# Altium PCB TCS-1900.PcbDoc (part 2 of 2)
Units mm, origin at the board's own origin, x right, y up, seen from the top; angles counter-clockwise.
Board outline 76.53 x 65.3 mm, 2 copper layers (Top Layer, Bottom Layer); 172 components, 114 nets, 608 pads, 144 vias.
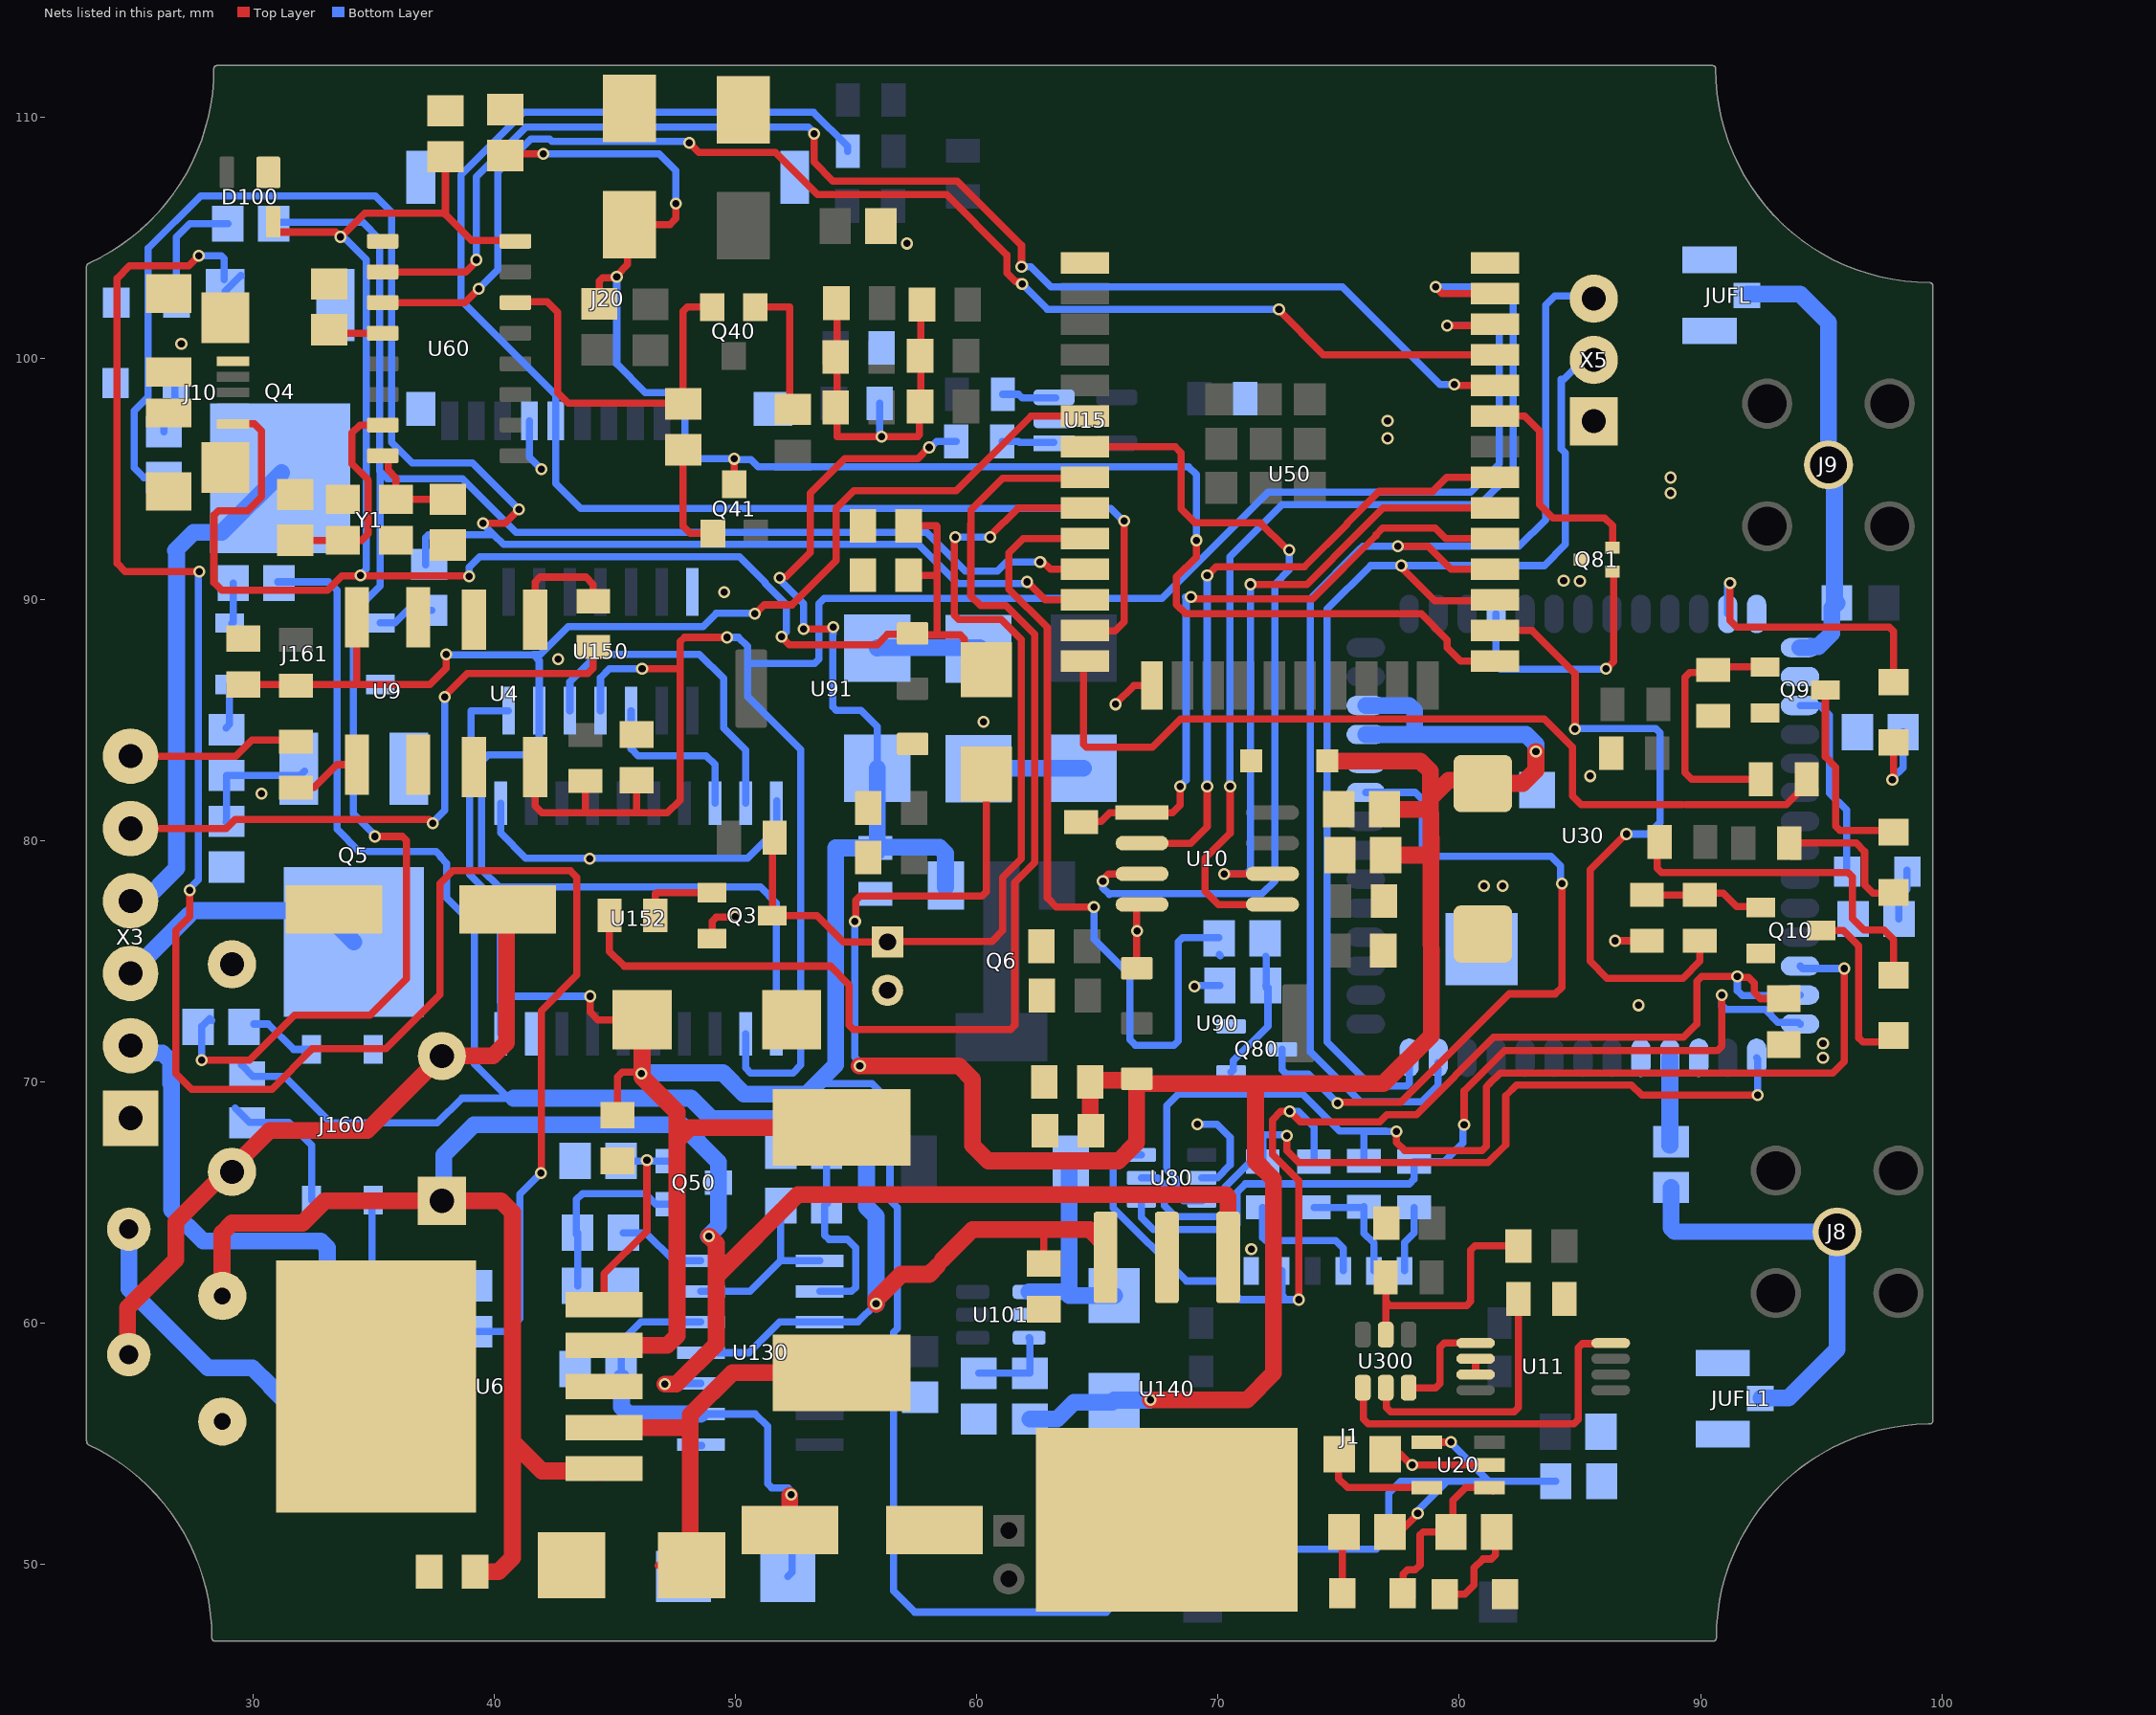
[diagram p2: the nets of this part, all layers, seen from the top]

## Via types
v1: diameter 0.5, hole 0.3, Top Layer to Bottom Layer, 144 vias

## Nets (pads, with @x,y where several pads share a name; then routed paths per layer and width w, separated by ;. In a path a pad name is that pad's centre, name@x,y a point inside that pad or via, vN(x,y) a via of type N, cw(c..) or ccw(c..) an arc to the next point about the centre after c; other vN are vias at no path point) (continued)
ENR_RE_1: C1.1 R1.2 U4.4 U50.36 U150.11 U152.12 | length 92.9
  Top Layer w0.3: U4.4@41.69,83.05 41.69,81.435 41.975,81.15 43.7,81.15 ; R1.2@43.775,82.475 43.775,81.225 43.7,81.15 ; C1.1@45.9,82.5 45.9,81.225 45.825,81.15 ; v1(46.125,87.125) 47.65,87.125 47.663,87.113 ; v1(49.65,88.425) 47.876,88.425 47.7,88.249 47.7,81.675 47.175,81.15 45.825,81.15 ; v1(79.5,101.35) 81.415,101.35 U50.36@81.475,101.41 ; 43.7,81.15 45.825,81.15
  Bottom Layer w0.3: U150.11@44.4,85.386 44.4,86.75 44.775,87.125 v1(46.125,87.125) ; v1(49.65,88.425) 50.125,88.425 50.5,88.05 50.5,87.375 ; U152.12@50.42,72 50.42,70.58 50.625,70.375 52.375,70.375 52.7,70.7 52.7,83.775 50.5,85.975 50.5,87.375 ; v1(79.5,101.35) 81.3,101.35 81.65,101 81.65,95.625 80.475,94.45 72.075,94.45 67.675,90.05 53.675,90.05 53.45,89.825 53.45,87.525 53.275,87.35 50.525,87.35 50.5,87.375
ENR_RE_2: C2.1 R5.2 U9.4 U50.6 U150.13 U152.11 | length 73
  Top Layer w0.3: C2.1@29.6,86.475 30.075,86.475 37.325,86.475 38,87.15 v1(38,87.716) ; 34.3,86.525 U9.4@34.3,89.25 ; v1@50.775,89.35 51.2,89.775 52.339,89.775 54.175,91.611 54.175,93.775 54.9,94.5 59.15,94.5 62.25,97.6 U50.6@64.475,97.6
  Bottom Layer w0.3: v1(38,87.716) 38.016,87.7 41.625,87.7 41.86,87.465 U150.13@41.86,85.386 41.86,84.01 41.4,83.55 39.75,83.55 39.475,83.275 39.475,78.8 40.2,78.075 51.025,78.075 51.69,77.41 U152.11@51.69,72 ; 41.611,87.714 41.909,87.714 43.07,88.875 48.65,88.875 49.2,89.425 v1@50.8,89.425
  other v1: 50.8,89.4
ENT_1: R2.2 X3.5 | length 25.7
  Top Layer w0.3: X3.5@24.923,80.502 28.877,80.502 29.25,80.875 37.3,80.875 v1(37.45,80.725) ; v1@37.925,85.975 38.875,86.925 43.875,86.925 44.1,87.15 R2.2@44.1,88.025
  Bottom Layer w0.3: v1(37.45,80.725) 37.45,80.75 37.95,81.25 v1(37.95,85.95)
Ent_2_CNT: R6.2 X3.6 | length 7.1
  Top Layer w0.3: X3.6@24.923,83.502 24.925,83.5 29.275,83.5 29.95,84.175 R6.2@31.7,84.175
ESTATUSEQUIPO: R40.2 U50.14 | length 37
  Top Layer w0.3: U50.14@64.475,87.44 64.425,87.39 64.425,84 64.55,83.875 67.275,83.875 68.45,85.05 83.522,85.05 84.7,83.872 84.7,81.85 85.05,81.5 89.225,81.5 ; 89.375,81.5 93.55,81.5 94.4,82.35 R40.2@94.4,82.55
EstatusEquipo1: R42.2 U50.26 | length 27.2
  Top Layer w0.3: U50.26@81.475,88.71 83.015,88.71 84.8,86.925 84.8,84.625 v1(84.798,84.623) ; v1@86.913,80.288 85.425,78.8 85.425,75 86.125,74.3 89.269,74.3 89.972,75.003 R42.2@89.972,75.85
  Bottom Layer w0.3: v1(84.798,84.623) 84.825,84.65 88.149,84.65 88.325,84.474 88.325,80.75 87.85,80.275 v1@86.95,80.275
  other v1: 86.925,80.275
GND: B1.2 B2.2 C1.2 C2.2 C3.2 C4.2 C5.2 C6.1 C8.2 C19.1 C20.2 C21.2 C22.1 C23.1 C26.2 C27.2 C28.1 C29.1 C30.2 C32.1 C36.2 C37.1 C39.2 C40.1 C43.2 C44.1 C45.2 C46.1 C63.1 C64.1 C70.1 C71.1 C81.1 C90.1 C91.1 C100.2 C101.2 C102.1 C106.1 C107.1 C108.1 C109.1 C182.1 C200.2 D5.1 D60.2 D61.2 D71.1 D91.2 D100.1 J1.C5 J10.5 J10.GND J20.6 J20.S1 J20.S2 J20.S3 J20.S4 J160.CATHODE J161.CATHODE JUFL1.1 JUFL1.2 JUFL.1 JUFL.2 Q3.3 Q4.3 Q5.3 Q9.3 Q10.3 Q80.2 Q81.3 R10.2 R11.1 R41.2 R43.2 R44.2 R46.2 R74.2 R80.1 R81.1 R91.1 R130.1 R132.1 R133.1 R135.1 R151.1 R164.1 R169.2 RV1.1 U4.2 U4.3 U6.3 U6.6 U9.2 U9.3 U10.4 U11.6 U11.7 U15.2 U20.2 U30.10 U30.27 U30.29 U30.44 U30.46 U30.55 U30.56 U50.1 U50.15 U50.38 U60.1 U80.2 U90.1 U91.1 U101.2 U130.11 U140.2 U140.4 U150.7 U152.1 U152.10 U152.19 X2.2 X3.1 X5.1 Y1.2 Y1.4 | length 50.9
  Top Layer w0.3: Q3.3@49.025,75.942 49.025,76.65 49.2,76.825 v1@49.925,76.825 ; C36.2@54.1,98 C36.2@54.2,97.9 ; C39.2@54.2,102.25 C36.2@54.2,97.9 ; C37.1@57.625,97.95 57.625,96.825 57.55,96.75 v1(56.05,96.75) 54.2,96.75 C36.2@54.2,97.9 ; C37.1@57.675,97.975 C32.1@57.675,102.225 ; v1@65.75,85.675 66.515,86.44 U50.15@67.26,86.44 ; U10.4@66.625,77.475 66.63,77.47 U90.1@66.63,74.715 ; R91.1@76.925,54.575 77.55,54.575 v1@78.025,54.1 ; v1@78.025,54.075 78.075,54.125 U20.2@81.245,54.125 ; U11.7@80.675,57.875 U11.6@80.675,58.525 ; v1@86.45,75.925 86.525,75.85 R43.2@87.772,75.85
  Bottom Layer w0.3: U152.1@40.26,81.55 40.26,80.315 41.3,79.275 50.5,79.275 51.7,80.475 U152.10@51.7,81.65 ; J20.6@41.45,97.4 41.45,95.9 v1(41.95,95.4) ; C46.1@55.975,98.125 55.975,96.825 v1(56.05,96.75) ; v1@68.95,74 R74.2@70.075,74 ; v1(69.15,68.25) 69.95,68.25 70.5,67.7 70.5,66.559 69.966,66.025 U80.2@69.33,66.025
  other v1: 78.05,54.125 71.375,63.075 95.075,71 95.075,71.6 87.425,73.175 69.025,73.95 86.45,75.85 66.65,76.25 49.975,76.85 81.025,78.125 81.8,78.125 43.95,79.25 30.35,81.95 85.425,82.675 60.275,84.925 65.75,85.65 42.65,87.525 49.525,90.3 85,90.75 84.325,90.775 88.75,94.4 88.75,95.05 77.025,96.675 77.025,97.4 27.025,100.6 57.1,104.75
IB_E: Q3.2 R31.2 U50.9 X2.1 | length 37.9
  Top Layer w0.3: R31.2@51.525,80.072 Q3.2@51.525,76.894 53.381,76.894 54.475,75.8 X2.1@56.3,75.8 ; X2.1@56.375,75.75 56.45,75.825 57.9,75.825 ; 57.975,75.825 60.625,75.825 61.075,76.275 61.075,78.475 61.85,79.25 61.85,88.335 61.01,89.175 59.251,89.175 59.075,89.351 59.075,92.55 v1(59.1,92.575) ; v1@60.537,92.612 61.715,93.79 U50.9@64.475,93.79
  Bottom Layer w0.3: v1(59.1,92.575) v1(60.55,92.575)
IB_S: R33.2 U50.8 | length 49.1
  Top Layer w0.3: R33.2@44.775,76.9 44.775,75.4 45.375,74.8 53.925,74.8 54.7,74.025 54.7,72.351 54.876,72.175 61.399,72.175 61.575,72.351 61.575,78.268 62.4,79.093 62.4,88.55 61.2,89.75 60.15,89.75 59.75,90.15 59.75,93.125 59.762,93.137 59.762,93.712 61.075,95.025 U50.8@64.225,95.025
IO0: B2.1 C63.2 Q41.3 R63.1 U50.25 | length 68.3
  Top Layer w0.3: C63.2@40.325,108.475 v1(42.036,108.475) ; R63.1@44.825,102.725 R63.1@44.35,102.25 44.35,103.199 44.487,103.337 45.037,103.337 v1(45.075,103.375) 45.075,103.429 45.525,103.879 B2.1@45.525,105.537 ; B2.1@45.6,105.537 47.276,105.537 47.525,105.786 v1(47.525,106.4) ; Q41.3@49.95,94.766 v1(49.95,95.825) ; v1@69.1,92.475 69.1,91.75 68.275,90.925 68.275,89.782 68.657,89.4 78.425,89.4 79.5,88.325 79.5,88 80.06,87.44 U50.25@81.475,87.44
  Bottom Layer w0.3: v1(42.036,108.475) 46.824,108.475 47.525,107.774 v1(47.525,106.4) ; v1(45.075,103.375) 45.075,99.761 46.261,98.575 47.725,98.575 47.9,98.4 47.9,96.25 48.325,95.825 v1(49.95,95.825) 49.988,95.787 50.642,95.787 50.929,95.5 68.775,95.5 69.1,95.175 v1(69.1,92.45)
NetC7_1: C7.1 R9.2 U300.5 | length 10.2
  Top Layer w0.3: U300.5@76.95,59.525 76.95,60.9 ; R9.2@76.95,61.9 76.95,60.9 ; C7.1@82.45,63.2 80.651,63.2 80.475,63.024 80.475,60.901 80.299,60.725 77.125,60.725 76.95,60.9
NetC100_1: C100.1 D70.2 R130.2 U130.2 U130.5 | length 21.3
  Top Layer w0.3: v1@52.25,52.85 v1(52.3,52.9)
  Top Layer w0.7: C100.1@52.25,51.425 v1@52.25,52.85
  Bottom Layer w0.3: R130.2@45.275,57.75 45.269,58.1 45.25,59.225 46.07,60.045 U130.5@48.561,60.045 ; U130.2@48.561,56.235 50.814,56.235 51.325,55.724 51.325,53.351 51.501,53.175 52.174,53.175 52.35,52.999 52.35,49.685 D70.2@52.165,49.5
  Bottom Layer w0.7: R130.2@45.275,57.75 45.275,56.525 45.565,56.235 U130.2@48.561,56.235
NetC106_2: C106.2 U60.4 | length 2.3
  Top Layer w0.3: C106.2@33.15,101.175 33.29,101.035 U60.4@35.375,101.035
NetD4_1: D4.1 R47.1 | length 6
  Top Layer w0.3: R47.1@93.675,79.9 96.45,79.9 96.8,79.55 96.8,78.175 97.15,77.825 97.975,77.825 D4.1@98,77.85
NetD4_2: D4.2 Q9.2 | length 8.3
  Top Layer w0.3: Q9.2@95.175,86.248 95.175,83.47 95.599,83.046 95.599,80.601 95.775,80.425 97.925,80.425 D4.2@98,80.35
NetD5_2: D5.2 L3.2 U6.2 | length 17.4
  Top Layer w0.3: D5.2@46.8,49.95 D5.2@48.125,51.275
  Top Layer w0.7: U6.2@44.575,55.7 U6.2@44.55,55.675 48.125,55.675 ; D5.2@48.125,51.275 48.125,55.675 ; L3.2@54.4,57.95 49.875,57.95 48.125,56.2 48.125,55.675
NetD6_1: D6.1 D10.2 | length 4.4
  Bottom Layer w0.7: D10.2@60.075,82.975 60.075,83 D6.1@64.425,83
NetD7_1: D7.1 X3.2 | length 18.2
  Bottom Layer w0.7: X3.2@24.923,71.502 25.229,71.196 26.244,71.196 26.575,70.865 26.575,69.928 26.623,69.88 26.623,64.702 27.925,63.4 32.8,63.4 33.075,63.125 D7.1@33.075,60.15
NetD7_2: D7.2 F1.2 | length 13.4
  Bottom Layer w0.3: F1.2@24.675,63.9 F1.2@24.85,63.9 ; D7.2@32.925,55.2 D7.2@33,55.2
  Bottom Layer w0.7: F1.2@24.85,63.9 24.85,61.425 28.125,58.15 29.975,58.15 30.713,57.412 30.713,57.387 32.162,55.938 32.187,55.938 D7.2@32.925,55.2
NetD8_1: D8.1 R48.1 | length 14.4
  Top Layer w0.3: R48.1@88.3,79.95 88.2,79.85 88.2,78.851 88.376,78.675 96.124,78.675 96.3,78.499 96.3,76.775 96.775,76.3 97.6,76.3 98,75.9 D8.1@98,74.675
NetD8_2: D8.2 Q10.2 | length 7.2
  Top Layer w0.3: Q10.2@94.995,76.275 95.925,76.275 96.55,75.65 96.55,71.826 96.726,71.65 D8.2@98,71.65
NetD10_1: D10.1 D11.2 | length 4.3
  Bottom Layer w0.3: D10.1@60.075,87.95 D10.1@60.125,88
  Bottom Layer w0.7: D11.2@55.875,87.975 55.875,88 D10.1@60.125,88
NetD12_2: D12.2 R80.2 | length 2.2
  Bottom Layer w0.3: R80.2@98.225,76.75 98.225,77.65 98.55,77.975 D12.2@98.55,78.775
NetD13_2: D13.2 R81.2 | length 3.7
  Top Layer w0.3: v1(97.95,82.525) 98,82.575 D13.2@98,84.075
  Bottom Layer w0.3: v1(97.95,82.525) 97.95,82.579 98.4,83.029 R81.2@98.4,84.5
NetD50_1: D50.1 L50.2 U101.1 | length 8.9
  Bottom Layer w0.3: L50.2@63.825,66.6 L50.2@63.9,66.675
  Bottom Layer w0.7: U101.1@62.17,61.3 63.825,61.3 L50.2@63.825,66.6 ; 63.825,61.14 D50.1@65.7,61.14
NetD60_1: D60.1 R162.2 | length 5.1
  Bottom Layer w0.3: D60.1@26.825,102.3 26.825,105.018 27.382,105.575 R162.2@28.95,105.575
NetD61_1: D61.1 R166.1 | length 2.2
  Bottom Layer w0.3: R166.1@26.3,96.95 26.3,97.65 26.775,98.125 D61.1@26.775,98.35 ; D61.1@26.75,98.35 D61.1@26.75,98.925
NetD70_1: D70.1 U130.1 | length 6
  Bottom Layer w0.3: D70.1@47.835,49.5 48.075,49.74 48.075,54.861 48.14,54.926 U130.1@48.6,54.926
NetD90_1: D90.1 R90.2 | length 2.6
  Top Layer w0.3: D90.1@75.15,48.8 75.15,51.325 R90.2@75.2,51.375
NetD90_2: D90.2 R100.1 U20.1 | length 7.3
  Top Layer w0.3: D90.2@77.675,48.925 77.675,49.6 77.85,49.775 78.175,49.775 78.375,49.975 78.375,51.225 78.5,51.35 R100.1@79.65,51.35 ; R100.1@79.725,51.4 79.725,52.65 80.26,53.185 U20.1@81.245,53.185 U20.1@81.406,53.025
NetD91_1: D91.1 R100.2 | length 4.2
  Top Layer w0.3: D91.1@79.4,48.775 80.225,48.775 80.6,49.15 80.6,49.85 80.975,50.225 81.325,50.225 81.5,50.4 R100.2@81.5,51.425
NetJ1_C2: J1.C2 R22.1 | length 5.7
  Bottom Layer w0.3: R22.1@71.85,64.8 71.85,63.55 71.975,63.425 74.875,63.425 75.185,63.115 J1.C2@75.185,62.17
NetJ1_C3: J1.C3 R25.1 | length 2.8
  Bottom Layer w0.3: J1.C3@77.725,62.17 77.725,63.35 78.125,63.75 R25.1@78.125,64.8
NetJ1_C7: J1.C7 R20.1 R24.2 | length 4.9
  Bottom Layer w0.3: R20.1@73.975,64.8 76.025,64.8 R24.2@76.05,64.825 76.05,63.725 76.455,63.32 J1.C7@76.455,62.17
NetJ8_1: J8.1 JUFL1.3 R49.2 | length 17.5
  Bottom Layer w0.7: R49.2@88.775,65.625 88.775,63.95 88.925,63.8 J8.1@95.66,63.785 95.66,58.915 93.645,56.9 JUFL1.3@92.5,56.9
NetJ9_1: J9.1 JUFL.3 L7.1 U30.28 | length 18.5
  Bottom Layer w0.7: JUFL.3@91.925,102.65 94.125,102.65 95.3,101.475 J9.1@95.3,95.575 95.55,95.325 95.55,89.95 L7.1@95.65,89.85 95.439,89.639 95.439,88.599 94.89,88.05 94.602,88.05 94.552,88 U30.28@94.125,88
NetJ160_ANODE: J160.ANODE R161.2 | length 2.8
  Bottom Layer w0.3: R161.2@30.025,72.4 30.625,72.4 31.675,71.35 J160.ANODE@32.425,71.35
NetJ160_COLLECTOR: J160.COLLECTOR R174.1 | length 6.1
  Bottom Layer w0.3: R174.1@29.25,68.925 29.85,68.325 31.475,68.325 32.425,67.375 J160.COLLECTOR@32.425,65.1
NetJ160_EMITTER: J160.EMITTER R163.1 | length 5.6
  Bottom Layer w0.3: J160.EMITTER@34.925,65.2 34.925,61.726 35.101,61.55 R163.1@36.975,61.55
NetJ161_ANODE: J161.ANODE R165.1 | length 2.3
  Bottom Layer w0.3: J161.ANODE@35.275,89.025 35.875,89.025 36.4,89.55 R165.1@37.3,89.55 R165.1@37.4,89.55
NetJ161_COLLECTOR: J161.COLLECTOR R167.2 | length 1.7
  Bottom Layer w0.3: J161.COLLECTOR@29.125,89 29.175,89.05 R167.2@29.175,90.675
NetJ161_EMITTER: J161.EMITTER R168.2 | length 1.9
  Bottom Layer w0.3: R168.2@28.875,84.675 29.025,84.825 J161.EMITTER@29.025,86.475
NetQ3_1: Q3.1 R33.1 | length 3.3
  Top Layer w0.3: R33.1@46.675,76.9 46.675,77.8 46.722,77.847 Q3.1@49.025,77.847
NetQ4_1: Q4.1 R163.2 R164.2 | length 91
  Top Layer w0.3: v1(27.375,77.95) 27.375,76.85 26.8,76.275 26.8,70.35 27.45,69.7 30.775,69.7 32.45,71.375 35.5,71.375 37.75,73.625 37.75,78.225 38.275,78.75 43.15,78.75 43.425,78.475 43.425,74.425 41.95,72.95 v1@41.95,66.25 ; v1(27.75,104.25) 27.325,103.825 24.875,103.825 24.35,103.3 24.35,91.5 24.7,91.15 v1(27.775,91.15)
  Bottom Layer w0.3: v1@27.35,78 27.725,78.375 27.725,91.075 27.775,91.125 v1(27.775,91.15) ; v1(27.75,104.25) 28.675,104.25 28.8,104.125 Q4.1@28.8,103.25 ; Q4.1@28.84,102.205 28.84,102.775 29.49,103.425 Q4.1@29.51,103.405 ; R163.2@36.8,59.6 36.85,59.65 R163.2@36.975,59.65 R164.2@39.175,59.65 40.5,59.65 41.05,60.2 41.05,65.35 v1(41.925,66.225)
NetQ5_1: Q5.1 R168.1 R169.1 | length 5.2
  Bottom Layer w0.3: R169.1@28.875,80.775 R169.1@28.9,80.8 R168.1@28.9,82.7 31.95,82.7 Q5.1@32.125,82.875
NetQ9_1: Q9.1 R40.1 R41.1 | length 10.7
  Top Layer w0.3: R40.1@92.5,82.55 89.625,82.55 89.35,82.825 89.35,86.775 89.551,86.976 90.426,86.976 R41.1@90.525,87.075 90.65,87.2 Q9.1@92.675,87.2
NetQ10_1: Q10.1 R42.1 R43.1 | length 5
  Top Layer w0.3: R43.1@87.772,77.75 R42.1@89.972,77.75 90.051,77.829 90.946,77.829 91.5,77.275 92.447,77.275 Q10.1@92.495,77.228
NetQ40_1: Q40.1 R60.2 | length 5.7
  Top Layer w0.3: Q40.1@50.814,102.116 52.241,102.116 52.241,98.009 R60.2@52.375,97.875
NetQ41_1: Q41.1 R61.2 | length 4.5
  Top Layer w0.3: R61.2@47.825,96.2 47.825,93.035 48.126,92.734 Q41.1@49.061,92.734
NetQ50_1: Q50.1 R131.2 R132.2 | length 7.8
  Bottom Layer w0.3: R131.2@43.4,63.675 43.4,65.125 43.65,65.375 46.25,65.375 46.689,64.936 Q50.1@47.259,64.936 ; R132.2@43.45,61.55 R131.2@43.45,63.75
NetQ50_2: Q50.2 R133.2 U6.5 | length 8.7
  Top Layer w0.3: U6.5@44.55,60.775 44.55,62.05 46.325,63.825 v1(46.325,66.75)
  Bottom Layer w0.3: R133.2@45.25,66.725 47.25,66.725 Q50.2@47.275,66.7
NetQ80_1: Q80.1 R73.1 R74.1 | length 5.6
  Bottom Layer w0.3: Q80.1@70.54,70.4 70.625,70.485 70.625,70.875 72.068,72.318 72.068,73.907 R74.1@71.975,74 ; R73.1@71.975,75.2 72,75.175 72,74.075 R74.1@72,73.9
NetR2_1: R2.1 U4.1 | length 4.9
  Top Layer w0.3: U4.1@41.69,89.15 41.69,90.715 41.9,90.925 43.8,90.925 44.1,90.625 R2.1@44.1,89.925
NetR6_1: R6.1 U9.1 | length 2.9
  Top Layer w0.3: R6.1@31.775,82.2 32.525,82.2 33.475,83.15 U9.1@34.3,83.15
NetR10_1: R10.1 U300.2 | length 11
  Top Layer w0.3: U300.2@76.95,57.325 76.981,57.294 76.981,56.501 77.157,56.325 82.277,56.325 82.453,56.501 R10.1@82.453,61.008
NetR36_2: R36.2 U15.1 | length 2.2
  Bottom Layer w0.3: R36.2@61.05,96.55 61.725,96.55 61.775,96.5 U15.1@63.2,96.5
NetR45_2: R45.2 U15.3 | length 2.3
  Bottom Layer w0.3: R45.2@61.075,98.5 61.725,98.5 61.875,98.35 U15.3@63.275,98.35
NetR49_1: R49.1 U30.45 | length 3.7
  Bottom Layer w0.3: R49.1@88.725,67.375 R49.1@88.75,67.35
  Bottom Layer w0.7: R49.1@88.725,67.375 U30.45@88.725,71
NetR91_2: R91.2 U20.5 | length 4.9
  Top Layer w0.3: R91.2@75,54.6 75,53.55 75.365,53.185 U20.5@78.655,53.185
NetR131_1: R131.1 U130.7 | length 3.7
  Bottom Layer w0.3: R131.1@45.35,63.75 46.275,63.75 47.44,62.585 U130.7@48.561,62.585
NetR134_1: R134.1 U130.6 U130.8 | length 7.7
  Bottom Layer w0.3: U130.6@48.561,61.315 50.605,61.315 51.875,62.585 ; R134.1@51.875,64.875 51.875,62.585 ; U130.8@53.489,62.585 51.875,62.585
NetR134_2: R134.2 R135.2 U130.9 | length 8.1
  Bottom Layer w0.3: U130.9@53.489,61.315 54.799,61.315 54.975,61.491 54.975,63.124 54.624,63.475 53.876,63.475 53.7,63.651 R134.2@53.7,64.9 ; R135.2@53.775,67.15 53.775,65 R134.2@53.8,64.975
NetR150_1: R150.1 R151.2 U101.3 | length 3.6
  Bottom Layer w0.3: R151.2@60.075,57.925 R150.1@62.2,57.925 62.2,59.37 U101.3@62.17,59.4
NetU11_4: U11.4 U300.1 | length 14.8
  Top Layer w0.3: U300.1@76,57.325 76.025,57.3 76.025,56.025 76.225,55.825 84.749,55.825 84.925,56.001 84.925,58.976 85.101,59.152 86.252,59.152 U11.4@86.275,59.175
NetU11_5: U11.5 U300.3 | length 4.4
  Top Layer w0.3: U300.3@77.9,57.325 79.024,57.325 79.2,57.501 79.2,58.999 79.376,59.175 U11.5@80.675,59.175
NetU150_10: U150.10 U152.8 | length 6.9
  Bottom Layer w0.3: U150.10@45.67,85.386 45.67,83.805 45.95,83.525 48.775,83.525 49.15,83.15 U152.8@49.15,81.55
NetU150_12: U150.12 U152.9 | length 14
  Bottom Layer w0.3: U150.12@43.13,85.386 43.13,86.58 44.275,87.725 48.495,87.725 49.5,86.72 49.5,84.675 50.42,83.755 U152.9@50.42,81.55
PWR_GSM: R73.2 U50.10 | length 34.7
  Top Layer w0.3: U50.10@64.475,92.52 61.92,92.52 61.325,91.925 61.325,90.425 62.925,88.825 62.925,77.625 63.3,77.25 v1@64.875,77.25
  Bottom Layer w0.3: v1(64.85,77.25) 64.85,75.925 66.35,74.425 66.35,71.75 66.575,71.525 68.174,71.525 68.35,71.701 68.35,75.799 68.526,75.975 R73.2@70.025,75.975 ; R73.2@70.05,75.275 R73.2@70.1,75.225
PWR_KEY: Q80.3 U30.9 | length 30.6
  Top Layer w0.3: v1(74.95,69.125) 74.975,69.15 77.575,69.15 82.075,73.65 83.975,73.65 84.25,73.925 v1(84.25,78.225)
  Bottom Layer w0.3: Q80.3@72.66,71.35 72.66,70.501 72.836,70.325 73.75,70.325 v1(74.95,69.125) ; U30.9@76.125,82 78.175,82 78.475,81.7 78.475,79.775 78.9,79.35 83.8,79.35 84.2,78.95 v1@84.2,78.15
PWR_RESET: Q81.2 U50.33 | length 9.4
  Top Layer w0.3: U50.33@81.475,97.6 82.7,97.6 83.325,96.975 83.325,93.925 83.875,93.375 86.025,93.375 86.35,93.05 Q81.2@86.35,92.15
RESET: Q81.1 U30.18 | length 10.9
  Top Layer w0.3: v1@86.1,87.125 86.4,87.425 86.4,91.1 Q81.1@86.35,91.15
  Bottom Layer w0.3: U30.18@81.525,89.4 81.525,87.276 81.701,87.1 v1@86.1,87.1
  other v1: 86.075,87.125
RTS: Q40.2 R61.1 U60.14 | length 15.7
  Top Layer w0.3: U60.14@40.875,102.33 42.195,102.33 42.625,101.9 42.625,98.575 43.059,98.141 R61.1@47.784,98.141 ; R61.1@47.825,98.1 47.825,101.94 48.001,102.116 Q40.2@49.036,102.116
RX_GSM: U30.53 U50.28 X5.3 | length 52.8
  Top Layer w0.3: v1(77.45,92.2) 78.7,92.2 79.65,91.25 U50.28@81.475,91.25
  Bottom Layer w0.3: U30.53@79.125,70.8 79.125,69.85 78.45,69.175 75.9,69.175 73.825,71.25 73.825,90.025 75.875,92.075 76,92.2 v1(77.45,92.2) 82.475,92.2 83.575,93.3 83.575,102.2 83.95,102.575 85.465,102.575 X5.3@85.575,102.465
RX_UART0: U50.34 U60.2 | length 56.4
  Top Layer w0.3: U60.2@35.375,103.575 38.825,103.575 v1@39.275,104.025 ; v1(53.25,109.3) 53.25,108.125 54.038,107.337 59.188,107.337 61.853,104.672 v1(61.853,103.78) ; v1@79.7,98.95 79.78,98.87 U50.34@81.475,98.87
  Bottom Layer w0.3: v1(39.25,104.075) 39.25,107.518 41.307,109.575 53.025,109.575 v1@53.25,109.35 ; v1(61.853,103.78) 62.245,103.78 63.075,102.95 75.15,102.95 79.2,98.9 v1(79.8,98.9)
SAL_1: R161.1 R162.1 U50.11 | length 80.3
  Top Layer w0.3: v1(27.876,70.901) 29.851,70.901 31.725,72.775 34.85,72.775 36.35,74.275 36.35,79.999 36.174,80.175 v1(35.05,80.175) ; v1@62.725,91.575 63.05,91.25 U50.11@64.475,91.25
  Bottom Layer w0.3: v1(27.876,70.901) 27.876,72.301 28.2,72.625 R161.1@28.275,72.55 ; R162.1@30.7,105.625 34.549,105.625 35.251,104.924 35.251,95.324 35.275,95.3 ; v1@34.975,80.3 34.15,81.125 34.15,89.425 35.275,90.55 35.275,95.3 ; v1(62.625,91.55) 61.225,91.55 60.85,91.175 59.525,91.175 57.925,92.775 40.9,92.775 38.675,95 35.575,95 35.275,95.3
SAL_2: R165.2 R166.2 U50.12 | length 70.1
  Top Layer w0.3: v1(39.525,93.15) 40.45,93.15 v1(41.025,93.725) ; v1@62.037,90.787 62.087,90.737 62.845,89.98 U50.12@64.475,89.98
  Bottom Layer w0.3: R166.2@26.225,95.05 25.475,95.05 25.075,95.45 25.075,97.825 25.65,98.4 25.65,104.55 27.825,106.725 35.075,106.725 35.751,106.049 35.751,96.499 36.6,95.65 39.1,95.65 v1(41.025,93.725) ; R165.2@37.15,91.425 37.15,92.55 37.275,92.675 39.975,92.675 ; v1@39.5,93.2 39.5,93.15 39.975,92.675 ; v1(62.075,90.725) 62,90.65 59.2,90.65 57.575,92.275 40.375,92.275 39.975,92.675
SAL_CO_1: Q4.2 X3.4 | length 21.4
  Top Layer w0.3: X3.4@25.05,77.375 X3.4@25.075,77.4
  Bottom Layer w0.3: X3.4@25.05,77.375 X3.4@25.35,77.375
  Bottom Layer w0.7: X3.4@25.35,77.375 26.825,78.85 26.825,91.975 26.775,92.025 27.525,92.775 28.7,92.775 Q4.2@31.175,95.25
SAL_CO_2: Q5.2 X3.3 | length 11.1
  Bottom Layer w0.3: 27.344,76.923 27.52,77.099
  Bottom Layer w0.7: X3.3@24.923,74.502 27.344,76.923 ; 27.52,77.099 32.876,77.099 Q5.2@34.175,75.8 ; Q5.2@34.025,77.125 Q5.2@34.225,77.325
SCK: U10.6 U50.30 | length 26.5
  Top Layer w0.3: v1(70.25,78.625) 72.2,78.625 72.225,78.6 U10.6@72.25,78.625 ; v1(71.35,90.625) 73.675,90.625 75.85,92.8 76.84,93.79 U50.30@81.475,93.79
  Bottom Layer w0.3: v1(70.25,78.625) 71.174,78.625 71.35,78.801 v1(71.35,90.625)
SCK_SD: J20.5 R72.2 U50.13 | length 62.5
  Top Layer w0.3: U50.13@64.5,88.7 65.725,88.7 66.1,89.075 66.1,92.1 66.1,92.675 v1(66.1,93.25)
  Bottom Layer w0.3: R72.2@54.65,108.575 54.65,108.775 53.225,110.2 41.225,110.2 38.625,107.6 38.625,102.4 42.55,98.475 J20.5@42.55,97.4 42.55,94.8 43.575,93.775 65.55,93.775 66.1,93.225 v1(66.1,93.25)
SDI: U10.5 U50.37 | length 43.8
  Top Layer w0.3: v1(70.5,82.25) 70.5,80.3 69.466,79.266 69.466,77.909 70.02,77.355 U10.5@72.25,77.355 ; v1@79.038,102.912 79.27,102.68 U50.37@81.475,102.68 U50.37@81.505,102.65
  Bottom Layer w0.3: v1(70.5,82.25) 70.487,82.263 70.487,91.762 72.65,93.925 80.85,93.925 82.225,95.3 82.225,102.75 82.025,102.95 v1(79.025,102.95)
SDO: U10.2 U50.31 | length 27
  Top Layer w0.3: U10.2@66.85,79.895 68.87,79.895 69.55,80.575 v1(69.55,82.25) ; v1(69.55,91) 69.575,91 69.925,91.35 73.575,91.35 75.35,93.125 75.35,93.15 76.675,94.475 78.9,94.475 79.485,95.06 U50.31@81.475,95.06
  Bottom Layer w0.3: v1(69.55,82.25) v1(69.55,91)
SIM_CLK: R25.2 U30.41 U80.4 | length 36.8
  Top Layer w0.3: v1(80.2,68.225) 80.2,69.632 81.868,71.3 90.699,71.3 90.875,71.476 v1(90.875,73.6)
  Bottom Layer w0.3: U80.4@66.82,65.075 66.82,64.38 67.325,63.875 70.575,63.875 70.785,64.085 70.785,65.43 71.13,65.775 77.925,65.775 78.125,65.975 R25.2@78.125,66.7 79.375,66.7 80.15,67.475 v1@80.15,68.225 ; v1(90.875,73.6) 90.875,73.1 90.925,73.15 91.025,73.05 91.025,73 92.675,73 93.2,72.475 94.05,72.475 U30.41@94.125,72.4
SIM_DATA: R24.1 U30.39 U80.3 | length 45.4
  Top Layer w0.3: v1(77.4,67.95) 77.4,67.491 77.741,67.15 80.949,67.15 81.125,67.326 81.125,69.8 81.25,69.925 81.675,70.35 81.7,70.35 81.725,70.375 95.475,70.375 95.95,70.85 v1(95.95,74.7)
  Bottom Layer w0.3: U80.3@69.33,65.075 68.575,65.075 68.275,65.375 68.275,65.957 67.875,66.357 67.875,69.025 68.35,69.5 73.5,69.5 75.025,67.975 76.95,67.975 ; R24.1@76.05,66.725 76.05,67.95 v1@77.5,67.95 ; U30.39@94.125,74.8 94.225,74.7 v1(95.95,74.7)
SIM_RST: R22.2 U30.42 U80.5 | length 34.4
  Top Layer w0.3: v1(72.85,67.775) 72.85,67.15 73.35,66.65 76.975,66.65 81.182,66.65 81.925,67.393 81.925,69.425 82.375,69.875 87.135,69.875 87.56,69.45 92.3,69.45 v1@92.325,69.475
  Bottom Layer w0.3: U80.5@66.82,66.025 67.5,66.025 67.775,65.75 67.775,64.875 68.225,64.425 70.028,64.425 70.285,64.682 70.285,65.637 71.373,66.725 71.825,66.725 R22.2@71.85,66.7 71.85,67.8 72.825,67.8 v1@72.85,67.825 ; U30.42@92.325,71 92.375,70.95 v1(92.375,69.45)
SIM_VDD: C19.2 J1.C1 R20.2 U30.40 U80.6 | length 53.2
  Top Layer w0.3: v1@73.35,61.067 73.35,65.9 72.25,67 72.25,68.425 72.6,68.775 v1(72.975,68.775) 73.4,68.35 76.7,68.35 77,68.65 78.225,68.65 81.425,71.85 89.3,71.85 89.85,72.4 89.85,74.175 90.051,74.375 v1(91.525,74.375) 91.563,74.337 91.988,74.337 92.225,74.1 92.225,73.718 92.493,73.45 C19.2@93.45,73.45
  Bottom Layer w0.3: U80.6@66.82,66.975 66.025,66.975 65.65,66.6 65.65,64.782 68.682,61.75 70.157,61.75 70.932,60.975 72.825,60.975 ; J1.C1@72.645,62.17 72.645,61.155 72.825,60.975 ; v1(72.975,68.775) 73.325,68.775 73.975,68.125 R20.2@73.975,66.7 ; v1(73.35,60.975) 72.825,60.975 ; v1(91.525,74.375) 91.525,73.775 91.725,73.575 94.1,73.575 U30.40@94.125,73.6
SS: R34.2 U10.1 U50.29 | length 27.5
  Top Layer w0.3: R34.2@64.175,80.8 65.15,80.8 65.515,81.165 U10.1@66.85,81.165 68.115,81.165 68.425,81.475 v1(68.425,82.25) ; v1(68.875,90.1) 68.95,90.025 71.101,90.025 71.599,90.025 73.925,90.025 76.55,92.65 76.55,92.675 76.825,92.95 79,92.95 79.43,92.52 U50.29@81.475,92.52
  Bottom Layer w0.3: v1(68.425,82.25) 68.675,82.5 68.675,90.075 68.65,90.1 v1(68.875,90.1)
Status_GPRS: D13.1 U30.26 | length 11.9
  Top Layer w0.3: v1(91.225,90.675) 91.225,89.125 91.5,88.85 97.824,88.85 98,88.674 D13.1@98,86.575
  Bottom Layer w0.3: U30.26@91.125,89.4 91.125,90.625 v1@91.15,90.65
Status_GPS: D12.1 U30.30 | length 8.1
  Bottom Layer w0.3: U30.30@94.125,85.6 94.95,85.6 95.35,85.2 95.35,81.975 96.05,81.275 D12.1@96.05,78.75
TX_GSM: U30.54 U50.27 X5.2 | length 47.3
  Top Layer w0.3: v1(77.6,91.4) 77.6,91.325 78.975,89.95 81.445,89.95 U50.27@81.475,89.98
  Bottom Layer w0.3: U30.54@77.925,70.95 77.925,69.95 77.8,69.825 76.35,69.825 74.525,71.65 74.525,89.6 76.325,91.4 v1(77.6,91.4) 83.525,91.4 84.4,92.275 84.4,96.065 84.225,96.24 84.225,99.123 84.326,99.123 85.115,99.911 85.115,99.925 X5.2@85.575,99.925
TX_UART0: U50.35 U60.3 | length 55.4
  Top Layer w0.3: U60.3@35.375,102.305 38.78,102.305 v1@39.325,102.85 ; v1(48.075,108.925) 48.475,108.525 51.65,108.525 53.4,106.775 58.75,106.775 61.175,104.35 61.253,104.272 61.253,103.532 61.604,103.18 61.875,103.18 v1(61.875,103.075) ; v1@72.525,101.975 74.36,100.14 U50.35@81.475,100.14
  Bottom Layer w0.3: v1(39.35,102.875) 40.15,103.675 40.15,107.711 41.514,109.075 42.285,109.075 42.385,108.975 v1@48.1,108.975 ; v1(61.875,103.075) 62.925,102.025 v1(72.525,102.025)
V_EX: C5.1 C6.2 L1.1 Q50.3 U6.1 U130.3 U140.1 | length 87.7
  Top Layer w0.3: 49.05,61.675 49.2,61.525
  Top Layer w0.7: C5.1@28.65,61.471 28.714,61.535 28.714,63.74 29.124,64.15 32.05,64.15 32.975,65.075 L1.1@37.825,65.075 40.275,65.075 40.75,64.6 40.75,55.1 ; C6.2@39.2,49.7 40.175,49.7 40.75,50.275 40.75,55.1 ; U6.1@44.36,53.8 44.375,53.8 U6.1@44.45,53.875 ; U6.1@44.55,53.875 U6.1@44.45,53.875 ; U6.1@44.55,53.975 U6.1@44.45,53.875 ; v1(47.075,57.475) 47.55,57.475 49.2,59.125 49.2,61.525 49.2,61.95 ; v1(48.9,63.6) 49.2,63.3 49.2,61.95 ; U140.1@70.415,62.725 70.415,65.235 70.325,65.325 52.575,65.325 49.2,61.95 ; 40.75,55.1 41.975,53.875 U6.1@44.45,53.875
  Bottom Layer w0.3: v1@47.03,57.505 U130.3@48.561,57.505
  Bottom Layer w0.7: L1.1@37.9,65.125 37.9,66.975 39.15,68.225 47.75,68.225 49.291,66.684 Q50.3@49.291,65.825 49.291,64.016 v1@48.875,63.6
V_EXT: C4.1 F1.1 L1.2 RV1.2 | length 28.7
  Top Layer w0.3: RV1.2@28.925,66.325 RV1.2@29.025,66.325
  Top Layer w0.7: F1.1@24.85,58.7 24.8,58.75 24.8,60.64 26.794,62.634 26.794,64.194 RV1.2@28.925,66.325 ; RV1.2@29.025,66.325 30.687,67.987 34.737,67.987 L1.2@37.825,71.075 39.95,71.075 40.5,71.625 40.5,77.1 C4.1@40.55,77.15
  Bottom Layer w0.7: F1.1@24.825,58.725 F1.1@24.85,58.7
V_EXT_REG: C182.2 R167.1 R174.2 U130.4 U130.10 U140.3 | length 85
  Top Layer w0.3: 58.375,62.375 58.575,62.375 58.575,62.625 ; C182.2@62.775,62.475 62.775,63.875
  Top Layer w0.7: v1(55.825,60.8) 55.825,60.975 56.875,62.025 58.025,62.025 58.375,62.375 ; 58.575,62.625 59.825,63.875 62.775,63.875 64.675,63.875 65.335,63.215 U140.3@65.335,62.725
  Bottom Layer w0.3: R174.2@29.525,70.7 30,70.225 31.3,70.225 33.225,68.3 37.625,68.3 38.65,69.325 40.6,69.325 ; R167.1@31.025,90.725 33.125,90.725 33.475,90.375 33.475,80.475 34.4,79.55 37.583,79.55 37.759,79.374 37.759,79.329 38.025,79.063 38.025,77.625 39.175,76.475 39.175,70.75 40.6,69.325 ; 40.8,69.325 40.6,69.325 ; U130.4@48.561,58.775 50.55,58.775 51.82,60.045 U130.10@53.489,60.045 55.07,60.045 v1(55.825,60.8)
  Bottom Layer w0.7: 40.8,69.325 48.15,69.325 49,68.475 55.025,68.475 55.425,68.075 55.425,64.825 55.825,64.425 v1(55.825,60.8)
V_REG: C26.1 C28.2 C70.2 C71.2 C200.1 D30.1 D50.2 D71.2 R150.2 U30.11 U30.12 U90.3 | length 110.7
  Top Layer w0.3: v1(54.95,76.65) 54.988,76.688 54.988,77.524 55.164,77.7 60.224,77.7 60.4,77.876 D30.1@60.4,82.76 ; U90.3@66.57,70.075 U90.3@66.63,70.135 ; 78.475,79.4 78.55,79.475 ; 78.525,81.3 78.6,81.225
  Top Layer w0.7: v1@55.125,70.665 v1(55.15,70.665) 59.26,70.665 59.825,70.1 59.825,67.375 60.475,66.725 65.875,66.725 66.63,67.48 U90.3@66.63,70.135 66.84,69.925 71.55,69.925 ; C28.2@64.65,70.075 U90.3@66.57,70.075 ; C26.1@64.7,67.95 C28.2@64.7,70 ; v1(67.2,56.825) 71.2,56.825 72.3,57.925 72.3,65.96 71.55,66.71 71.55,69.925 ; D71.2@74.525,83.3 78.373,83.3 78.798,82.875 78.801,81.75 ; C71.2@76.9,81.3 78.525,81.3 ; C70.2@76.95,79.4 78.475,79.4 ; v1(83.175,83.7) 83.175,82.925 82.625,82.375 80.98,82.375 C200.1@80.975,82.37 80.845,82.5 79.551,82.5 78.801,81.75 ; 71.55,69.925 76.85,69.925 78.836,71.911 78.818,79.293 78.828,79.303 78.824,81.09 78.803,81.111 78.801,81.75
  Bottom Layer w0.3: v1(54.95,76.65) 54.95,71.025 55.126,70.849 v1@55.126,70.626 ; D50.2@65.615,56.725 D50.2@65.7,56.81 ; 80.95,84.4 81,84.45
  Bottom Layer w0.7: R150.2@62.2,56.025 63.325,56.025 64.025,56.725 D50.2@65.615,56.725 ; D50.2@65.7,56.81 v1@67.16,56.81 ; U30.11@76.125,84.4 78.15,84.4 ; U30.12@76.125,85.6 77.925,85.6 78.15,85.375 78.15,84.4 ; v1(83.175,83.7) 83.175,83.99 82.765,84.4 80.95,84.4 78.15,84.4
VBUS: C20.1 C22.2 C107.2 D30.2 D100.4 J10.1 U60.16 U91.3 | length 80.6
  Top Layer w0.3: J10.1@29.2,97.275 30.05,97.275 30.35,96.975 30.35,94.25 29.78,93.68 28.555,93.68 28.375,93.5 28.375,90.7 28.7,90.375 33.076,90.375 33.676,90.975 38.925,90.975 v1(38.95,90.95) ; D100.4@30.775,105.225 33.425,105.225 v1(33.625,105.025) 33.65,105.025 34.625,106 37.975,106 ; C107.2@37.975,108.35 37.975,106 ; U60.16@40.875,104.87 39.055,104.87 37.975,105.95 37.975,106 ; v1(51.9,88.45) 52.225,88.125 55.875,88.125 56.3,88.55 57.3,88.55 U91.3@57.338,88.588 ; C22.2@57.175,91 58.225,91 58.35,90.875 ; C20.1@57.175,93.05 58.325,93.05 58.35,93.025 58.35,90.875 ; U91.3@57.3,88.625 U91.3@57.337,88.588 ; U91.3@57.34,88.59 U91.3@57.338,88.588 ; 58.35,88.625 58.35,90.875 ; D30.2@60.4,87.09 59.49,88 59.49,88.349 59.314,88.525 57.4,88.525 U91.3@57.338,88.588
  Bottom Layer w0.3: v1@33.588,104.937 33.838,104.937 34.7,104.075 34.7,91.25 v1(34.45,91) ; v1(38.95,90.95) 38.957,90.957 38.957,91.332 39.4,91.775 50.155,91.775 51.225,90.705 51.225,90.651 52.1,89.776 52.1,88.65 v1(51.9,88.45)
VCC: C3.1 C81.2 C90.2 D11.1 L3.1 Q6.1 R11.2 R36.1 R90.1 U6.4 U20.4 U150.14 U152.20 | length 159.3
  Top Layer w0.3: v1(43.975,73.55) 43.975,72.9 44.3,72.575 C3.1@46.125,72.575 ; C81.2@45.1,68.625 45.1,70.2 45.3,70.4 45.925,70.4 v1@46.125,70.2 ; v1(51.825,90.9) 51.863,90.938 52.088,90.938 53.1,91.95 53.1,94.4 54.525,95.825 57.55,95.825 v1(58.025,96.3) ; v1(52.824,88.775) 53.975,88.775 v1(54.05,88.85) ; R90.1@77.125,51.35 77.525,51.35 v1@78.3,52.125 ; U20.4@78.655,55.065 v1@79.615,55.065
  Top Layer w0.7: U6.4@44.55,59.075 47.165,59.075 47.575,59.485 47.575,67.575 ; v1@46.125,70.2 47.575,68.75 47.575,67.575 ; v1@46.125,70.35 C3.1@46.125,72.575 ; L3.1@54.4,68.11 48.11,68.11 47.575,67.575
  Bottom Layer w0.3: 40.25,73.3 40.25,77.318 38.975,78.593 38.975,83.482 39.036,83.543 39.036,85.386 U150.14@40.59,85.386 ; U152.20@40.26,72 40.26,73.36 40.45,73.55 v1(43.975,73.55) ; v1(51.825,90.9) 51.825,90.825 52.824,89.826 v1(52.824,88.775) ; 53.5,69.925 55.65,69.925 56.4,69.175 56.4,65.1 56.7,64.8 56.7,59.77 56.55,59.62 56.55,48.9 57.425,48.025 65.375,48.025 67.975,50.625 76.55,50.625 77.075,51.15 77.075,52.957 77.568,53.45 79.5,53.45 ; v1(54.05,88.85) 54.05,88.575 54.025,88.575 54.025,85.55 54.175,85.4 55.2,85.4 55.875,84.725 D11.1@55.875,83 ; v1@58.025,96.25 58.325,96.55 R36.1@59.15,96.55 ; v1@78.325,52.275 79.5,53.45 ; v1@79.625,55.05 81.225,53.45 ; C90.2@84,53.45 81.225,53.45 ; 79.5,53.45 81.225,53.45
  Bottom Layer w0.7: v1@46.1,70.375 49.475,70.375 50.35,69.5 52.95,69.5 54.15,70.7 54.15,79.7 R11.2@55.8,79.7 ; R11.2@55.875,79.525 D11.1@55.875,83 ; R11.2@56.075,79.725 58.45,79.725 58.7,79.475 Q6.1@58.7,78.075
  other v1: 78.275,52.125 79.65,55.075 46.1,70.35
WP_1: U10.3 U50.7 | length 35.1
  Top Layer w0.3: U50.7@64.475,96.33 68.22,96.33 68.475,96.075 68.475,93.75 69.05,93.175 71.75,93.175 v1@72.825,92.1 ; v1(65.225,78.325) 65.15,78.325 65.45,78.625 U10.3@66.85,78.625
  Bottom Layer w0.3: v1(65.225,78.325) 65.225,78.05 65.5,77.775 65.525,77.8 71.825,77.8 72.35,78.325 72.35,90.625 72.95,91.225 v1(72.95,92.05)
XI: C108.2 U60.7 Y1.1 | length 9
  Top Layer w0.3: C108.2@31.75,92.45 Y1.1@33.725,92.45 34.5,92.45 34.775,92.725 34.775,94.92 34.75,94.945 34.75,94.975 34.1,95.625 34.1,96.9 34.425,97.225 U60.7@35.375,97.225
XO: C109.2 U60.8 Y1.3 | length 4.2
  Top Layer w0.3: U60.8@35.375,95.955 35.6,95.73 35.6,95.35 35.925,95.025 Y1.3@35.925,94.15 C109.2@38.075,94.15
pads on no net: C102.2 J1.C6 J1.P$1 J1.P$2 J1.P$3 J1.P$4 J1.P$5 J1.P$6 J1.P$13 J1.P$14 J8.2 J8.3 J8.4 J8.5 J9.2 J9.3 J9.4 J9.5 J10.4 J20.1 J20.8 J20.CD U11.1 U11.8 U30.1 U30.2 U30.3 U30.4 U30.5 U30.6 U30.7 U30.8 U30.13 U30.14 U30.16 U30.17 U30.19 U30.20 U30.21 U30.22 U30.23 U30.24 U30.25 U30.31 U30.32 U30.33 U30.34 U30.35 U30.36 U30.37 U30.38 U30.43 U30.47 U30.48 U30.49 U30.50 U30.51 U30.52 U50.5 U50.17 U50.18 U50.19 U50.20 U50.21 U50.22 U50.32 U50.39_1 U50.39_2 U50.39_3 U50.39_4 U50.39_5 U50.39_6 U50.39_7 U50.39_8 U50.39_9 U60.9 U60.10 U60.11 U60.12 U60.15 U80.1 U101.6 U130.12 U130.13 U130.14 U150.1 U150.2 U150.3 U150.4 U150.5 U150.6 U150.8 U150.9 U152.2 U152.3 U152.4 U152.5 U152.6 U152.7 U152.13 U152.14 U152.15 U152.16 U152.17 U152.18 U300.4

## Polygon pours and split planes (outlines as drawn)
GND on Bottom Layer "Bottom-No Net" (solid, pour order 16): 28.293,46.95 ccw(c19.42,46.925) 23.18,54.962 cw(c23.234,55.077) 23.107,55.078 cw(c23.225,55.125) 23.098,55.125 23.098,103.8 cw(c23.225,103.8) 23.187,103.922 cw(c23.276,103.831) 23.223,103.946 ccw(c19.5,112) 28.373,112 cw(c28.5,112) 28.5,112.127 90.499,112.127 cw(c90.5,112) 90.627,112 ccw(c99.5,112) 99.5,103.127 cw(c99.5,103) 99.627,103 99.627,102.999 ccw(c99.5,103) 99.627,103 99.627,102.999 99.627,55.95 cw(c99.5,55.95) 99.475,55.825 cw(c99.449,55.95) 99.45,55.822 ccw(c99.525,46.95) 90.652,46.95 cw(c90.521,46.95) 90.652,46.95 cw(c90.525,46.95) 90.525,46.823 28.475,46.823 cw(c28.475,46.95) 28.447,46.826 cw(c28.42,46.95)
GND on Top Layer "Top Layer-GND" (solid, pour order 15): 28.293,46.95 ccw(c19.42,46.925) 23.18,54.962 cw(c23.234,55.077) 23.107,55.078 cw(c23.225,55.125) 23.098,55.125 23.098,103.8 cw(c23.225,103.8) 23.187,103.922 cw(c23.276,103.831) 23.223,103.946 ccw(c19.5,112) 28.373,112 cw(c28.5,112) 28.5,112.127 90.499,112.127 cw(c90.5,112) 90.627,112 ccw(c99.5,112) 99.5,103.127 cw(c99.5,103) 99.627,103 99.627,102.999 ccw(c99.5,103) 99.627,103 99.627,102.999 99.627,55.95 cw(c99.5,55.95) 99.475,55.825 cw(c99.449,55.95) 99.45,55.822 ccw(c99.525,46.95) 90.652,46.95 cw(c90.521,46.95) 90.652,46.95 cw(c90.525,46.95) 90.525,46.823 28.475,46.823 cw(c28.475,46.95) 28.447,46.826 cw(c28.42,46.95)

## Silkscreen, mask and mechanical layers (free items; w line width, h text height)
Top Overlay:
  region: 87.175,97.325 89.275,96.225 89.275,98.425
  text "E2" at 27.275,82.775 h0.8 r90
  text "E1" at 27.425,80 h0.8 r90
  text "S1" at 27.3,76.875 h0.8 r90
  text "S2" at 27.3,73.8 h0.8 r90
  text "12V" at 27.3,70.575 h0.8 r90
  text "GND" at 27.3,67.3 h0.8 r90
  text "V: 3.5" at 89.9,47.675 h1.2 r90
Bottom Overlay:
  drawing of 332 lines, arcs and shapes, not listed
  text "TCS-1900-GG" at 79.925,93.85 h1
Mechanical 1:
  circle w0.254: c33.53,109.05 r1.8
  circle w0.254: c85.5,49.95 r1.8
  circle w0.254: c33.43,49.95 r1.8
  circle w0.254: c85.5,109 r1.8
  lines w0.254: 23.234,55.077 cw(c19.42,46.925) 28.42,46.95 ; 23.325,55.175 23.325,103.85 ; 23.376,103.881 ccw(c19.6,112.05) 28.6,112.05 ; 28.475,46.95 90.525,46.95 ; 28.5,112 90.5,112 ccw(c99.5,112) 99.5,103 99.5,55.95 ; 90.525,46.95 cw(c99.525,46.95) 99.449,55.95

## Text inside footprints (layer, text, board x,y; h text height)
C1: Top Overlay "+" at 47.6,80.85 h0.8 r90
C2: Top Overlay "+" at 28.475,84.9 h0.8 r90
C4: Top Overlay "+" at 42.775,80.225 h1.52 r180
C7: Top Overlay "+" at 81.95,64.7 h0.8
C8: Top Overlay "+" at 79.475,65.975 h0.8 r180
C20: Top Overlay "+" at 58.95,92.775 h0.8 r180
C21: Top Overlay "+" at 60.3,78.875 h0.8 r180
C26: Top Overlay "+" at 66.45,69.05 h0.8 r180
C27: Top Overlay "+" at 66.3,76.875 h0.8 r180
C36: Top Overlay "+" at 56.975,96.725 h0.8 r180
C39: Top Overlay "+" at 56.675,104.2 h0.8 r180
C43: Top Overlay "+" at 73.55,76.575 h0.8
C45: Bottom Overlay "+" at 53.725,102.35 h0.8 r180
D5: Top Overlay "+" at 48.175,53.15 h1 r180
D6: Bottom Overlay "+" at 62.675,82.625 h1 r90
D7: Bottom Overlay "+" at 34.825,60.525 h1 r270
D10: Bottom Overlay "+" at 61.825,88.325 h1 r270
D11: Bottom Overlay "+" at 54.125,82.625 h1 r90
U50: Mechanical 13 "ANTENNA" at 66.975,107.69 h1.78